# Altium PCB Kasli-DIOT.PCBDOC (part 9 of 21) (continued)
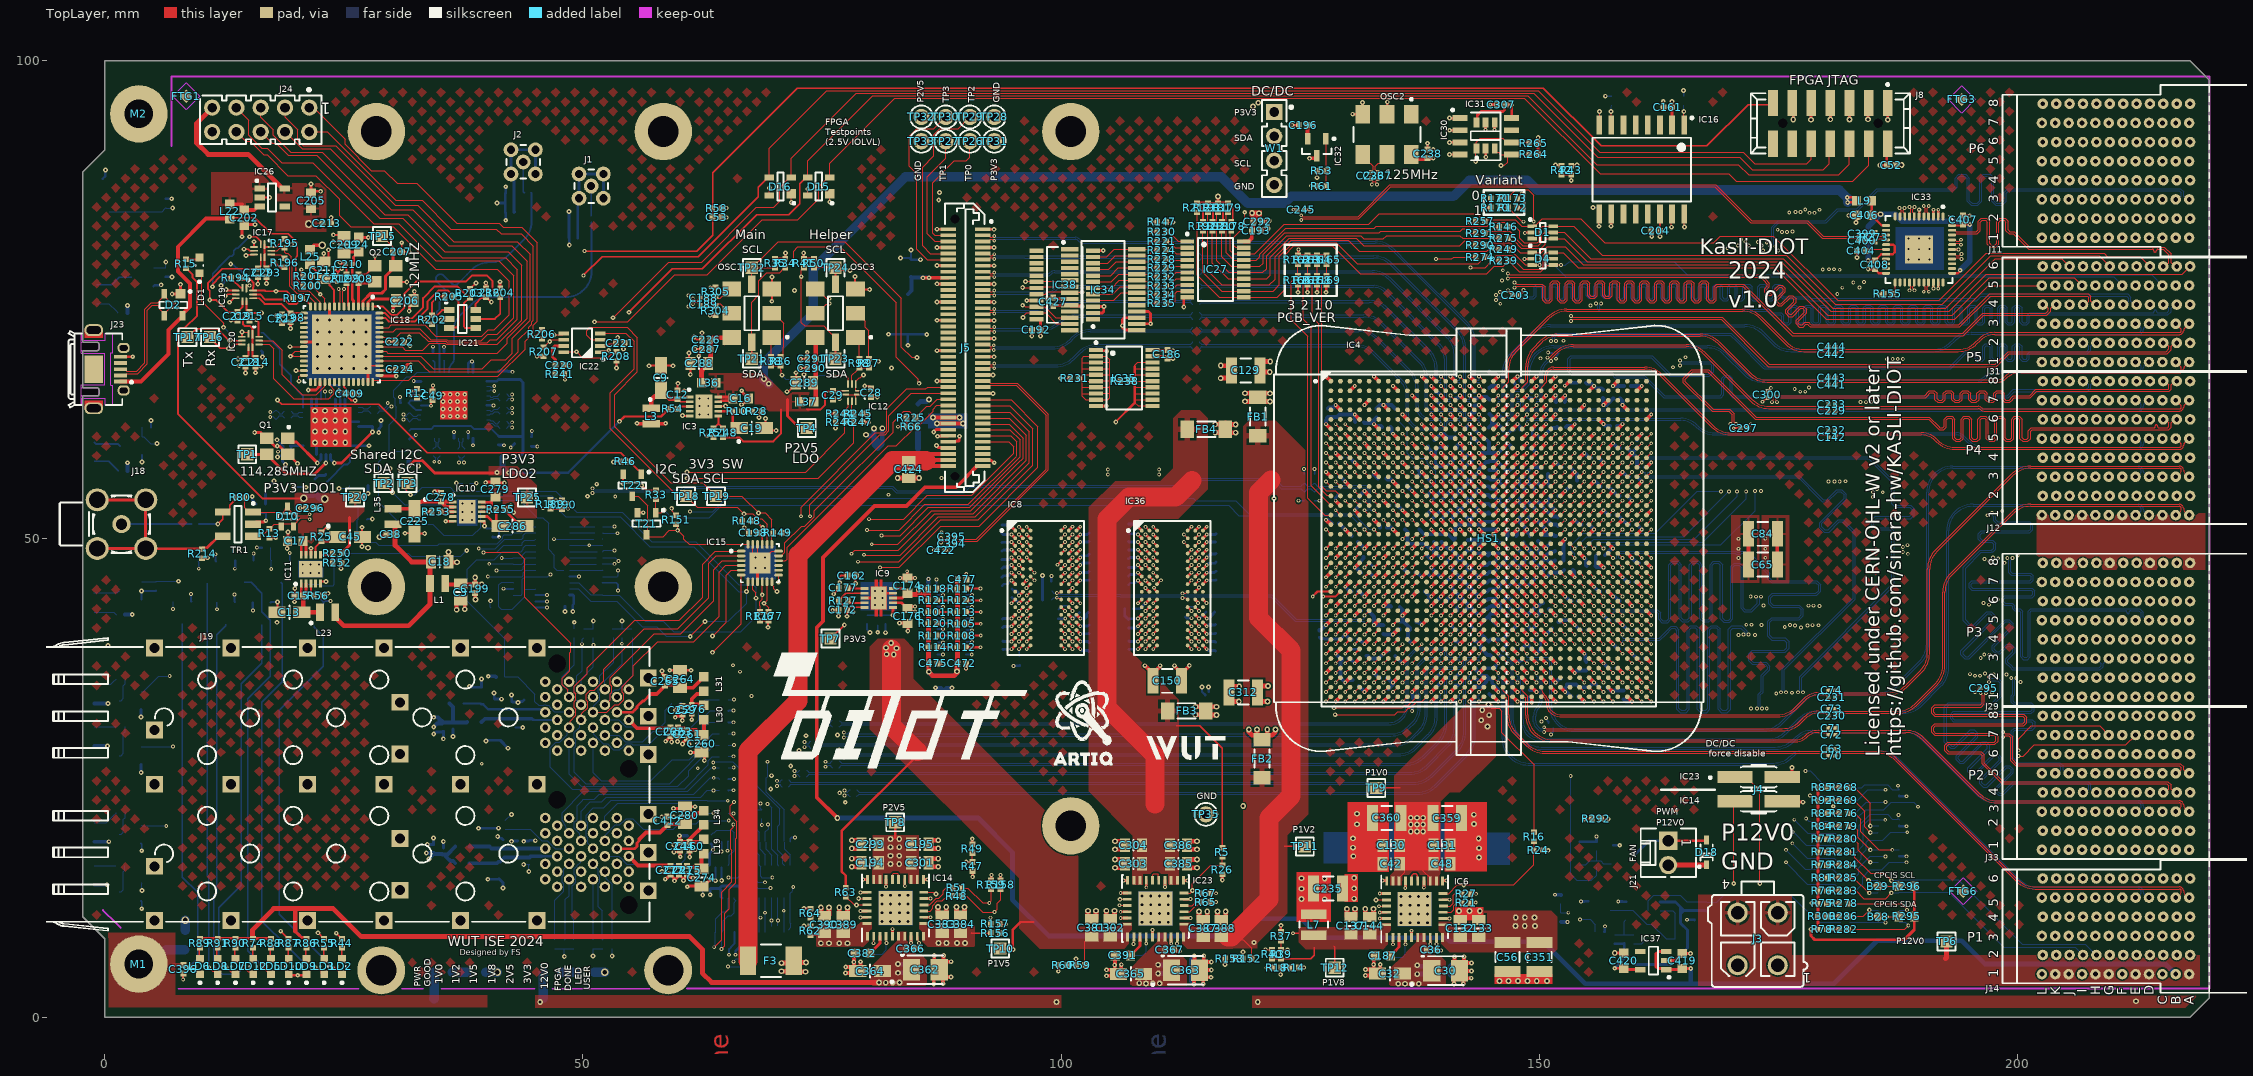
[diagram p0: TopLayer view]
## Nets (pads, with @x,y where several pads share a name; then routed paths per layer and width w, separated by ;. In a path a pad name is that pad's centre, name@x,y a point inside that pad or via, vN(x,y) a via of type N, cw(c..) or ccw(c..) an arc to the next point about the centre after c; other vN are vias at no path point) (continued)
  BottomLayer w0.2: v1(64.48,17.329) IC28.1@64.48,18.33
GPIO_RESET0: IC25.18 IC29.3 R132.2 | length 9.2
  BottomLayer w0.125: IC29.3@42.697,45.425 42.641,45.481 41.485,45.481 41.208,45.204 41.208,42.916 41.479,42.645 42.582,42.645 43.901,43.963 43.901,44.681 43.974,44.755 45.026,44.755 IC25.18@45.047,44.775
GPIO_RESET1: IC24.18 IC28.3 R131.2 | length 6.4
  BottomLayer w0.1: IC24.18@65.175,15.9 65.316,16.041 65.316,16.916 65.825,17.425 IC28.3@65.825,18.375
  BottomLayer w0.125: R131.2@63.402,19.049 63.63,19.276 63.71,19.276 63.972,19.538 65.577,19.538 65.81,19.304 65.81,18.39 IC28.3@65.825,18.375
Helper_DCXO_N: IC4.N4 OSC3.5 | length 91.9
  TopLayer w0.095: OSC3.5@74.3,73.6 74.5,73.6 75.462,74.562 75.717,74.562 v1(75.775,74.62) ; v1(130.7,55) IC4.N4@131.2,54.5
  layer 8 w0.075: v1(75.775,74.62) 75.718,74.62 75.569,74.769 74.845,74.769 74.732,74.882 74.323,75.291 74.323,78.684 82.861,87.222 107.846,87.222 110.825,84.243 110.825,72.05 112.2,70.675 113.068,69.807 113.068,64.93 114.093,63.905 117.26,63.905 125.525,55.64 126.161,55.004 128.103,55.004 128.305,54.802 128.493,54.614 130.936,54.614 130.98,54.658 130.98,54.72 v1(130.7,55)
Helper_DCXO_OE: IC12.9 IC24.8 IC28.20 R245.1 R247.2 | length 91.6
  TopLayer w0.125: v2(60.875,56.349) 74.617,56.349 78.305,60.038 R247.2@78.305,62.225 R245.1@78.305,63.1 ; R245.1@78.125,63.1 IC12.9@78.125,64.4
  Layer 5 w0.125: v2(60.875,56.349) 64.7,52.524 64.7,33.426 65.624,32.502 66.198,32.502 68.634,30.066 68.634,23.633 70.9,21.367 70.9,15.116 71.4,14.616 71.4,13.311 72.156,12.556 72.156,8.481 69.275,5.6 67.637,5.6 67.437,5.8 v1(65.725,5.8)
  BottomLayer w0.125: v1(65.725,5.8) 66.025,6.1 66.8,6.1 67.125,6.425 IC24.8@67.125,8.9 IC28.20@67.125,12.475
Helper_DCXO_P: IC4.P5 OSC3.4 | length 91.6
  TopLayer w0.095: OSC3.4@74.3,76.14 74.5,76.14 75.462,75.178 75.717,75.178 v1(75.775,75.12) ; v1(131.7,54) IC4.P5@132.2,53.5
  layer 8 w0.075: v1(75.775,75.12) 75.718,75.12 75.569,74.971 74.929,74.971 74.525,75.375 74.525,78.6 82.945,87.02 107.763,87.02 110.623,84.159 110.623,71.966 111.986,70.604 112.866,69.724 112.866,64.847 114.009,63.703 117.176,63.703 125.311,55.569 126.078,54.802 128.019,54.802 128.409,54.412 131.288,54.412 v1(131.7,54)
Helper_DCXO_SCL: IC4.T8 OSC3.8 R50.1 TP24.1 | length 84
  TopLayer w0.095: v1(134.7,52) IC4.T8@135.2,51.5
  TopLayer w0.1: TP24.1@76.4,78.35 76.675,78.075 v2(77.925,78.075)
  TopLayer w0.2: R50.1@74.15,78.38 74.175,78.405 76.345,78.405 TP24.1@76.4,78.35 OSC3.8@76.4,76.625 OSC3.8@76.4,76.427
  layer 8 w0.095: v2(77.925,78.075) 82.575,78.075 83.8,76.85 83.8,71.95 81.775,69.925 81.775,67.325 85.175,63.925 99.525,63.925 105.638,57.813 119.537,57.813 123.275,54.075 123.275,54.05 125.425,51.899 125.425,51.445 126.245,50.625 133.325,50.625 v1(134.7,52)
Helper_DCXO_SDA: IC4.U10 OSC3.7 R41.1 TP23.1 | length 98.8
  TopLayer w0.1: 72.825,77.158 72.825,72.625 73.175,72.275 75.181,72.275 75.616,71.84 76.031,71.425 76.075,71.425 76.4,71.1 OSC3.7@76.4,70.722 ; v5@72.84,77.425 72.84,78.14 73.08,78.38 R41.1@73.1,78.38 R41.1@73.12,78.38
  TopLayer w0.127: v1(136.7,50) IC4.U10@137.2,50.5
  TopLayer w0.2: TP23.1@76.4,68.85 OSC3.7@76.4,70.575 OSC3.7@76.4,70.722
  Layer 5 w0.1: v5(72.825,77.425) 77.05,77.425 79.805,74.67 79.805,67.91 82.25,65.465 82.25,57.314 81.936,56.999 v1@81.936,54.604
  Layer 6 w0.1: v1(81.95,54.625) 81.971,54.604 120.517,54.604 123.771,51.35 128.027,51.35 128.727,50.65 136.05,50.65 v1(136.7,50)
HV_REV0: IC4.N2 R165.1 R169.2 | length 25.8
  TopLayer w0.127: R165.1@127.76,78.725 127.76,77.56 127.514,77.314 127.498,77.314 127.254,77.069 127.254,55.496 127.7,55.05 128.65,55.05 IC4.N2@129.2,54.5
HV_REV1: IC4.N1 R164.1 R168.2 | length 25.3
  TopLayer w0.127: R168.2@126.76,77.54 126.534,77.314 126.487,77.314 126.261,77.087 126.261,73.189 126.925,72.525 126.925,55.4 127.76,54.565 128.135,54.565 IC4.N1@128.2,54.5 ; R168.2@126.76,77.74 R164.1@126.76,78.725
HV_REV2: IC4.P1 R163.1 R167.2 | length 26.4
  TopLayer w0.127: R167.2@125.76,77.54 125.534,77.314 125.501,77.314 125.287,77.099 125.287,72.988 126.127,72.148 126.127,55.573 IC4.P1@128.2,53.5 ; R167.2@125.76,77.74 R163.1@125.76,78.725
HV_REV3: IC4.R1 R162.1 R166.2 | length 28.4
  TopLayer w0.127: R166.2@124.76,77.54 124.534,77.314 124.479,77.314 124.075,76.909 124.075,72.9 125.8,71.175 125.8,54.275 127.575,52.5 IC4.R1@128.2,52.5 ; R166.2@124.76,77.74 R162.1@124.76,78.725
I2C_SCL_6: IC15.15
I2C_SDA_6: IC15.14
I2C_SW_RESET: IC4.U5 R33.2 T21.1 | length 78.2
  TopLayer w0.095: v1(131.7,51) IC4.U5@132.2,50.5
  TopLayer w0.1: R33.2@57.65,54.13 57.6,54.08 T21.1@57.6,52.75 58.184,52.75 58.459,53.025 v2(58.475,53.025)
  BottomLayer w0.095: v2(58.475,53.025) 59.265,52.235 63.222,52.235 64.487,53.5 117.505,53.5 118.59,52.415 130.285,52.415 v1(131.7,51)
I2C_SW_RESET2: IC18.27 R46.2 T22.1 | length 46.1
  TopLayer w0.125: v2(20.008,67.608) IC18.27@20.815,67.608
  TopLayer w0.15: v2(18.05,64.525) 18.509,64.066 26,64.066 26.005,64.061 26.357,64.061 26.363,64.066 28.659,64.066 33.7,59.025 53.945,59.025 R46.2@54.87,58.1 ; R46.2@54.87,58.08 55.775,57.175 55.875,57.175 56.1,56.95 T22.1@56.1,56.75
  Layer 3 w0.125: v2(18.05,64.525) 18.05,65.65 18.472,66.072 v2(20.008,67.608)
I2C_SW_RESET_N: IC15.24 R151.1 T21.3 T22.3 | length 17.6
  TopLayer w0.125: T22.3@55.15,54.45 55.775,54.45 56.763,53.463 56.763,50.463 56.65,50.35 56.75,50.25 58.375,50.25 59.025,50.9 v2(59.9,50.9) ; R151.1@59.875,51.605 59.9,51.58 v2(59.9,50.9) ; IC15.24@67.25,49.429 61.096,49.429 60.534,49.991 60.534,50.266 v2(59.9,50.9)
I2C_SW_SCL: IC4.AP10 IC15.19 IC22.3 R149.1 TP19.1 | length 123.8
  TopLayer w0.125: IC22.3@51.8,70.825 50.877,70.825 50.398,71.304 50.398,71.784 50.727,72.114 54.636,72.114 55.7,71.05 55.7,67.475 53.3,65.075 53.3,61.725 59.163,55.863 62.531,55.863 TP19.1@63.918,54.475 66.609,54.475 v2(68.355,52.728) 69.047,52.728 69.75,52.025 IC15.19@69.75,49.429 ; v2(128.525,32.341) 135.653,32.341 135.9,32.589 136.289,32.589 IC4.AP10@137.2,33.5
  layer 8 w0.125: v2(68.355,52.728) 71.328,49.756 71.328,49.672 74.3,46.7 74.3,42.025 86.25,30.075 116.885,30.075 119.151,32.341 v2(128.525,32.341)
I2C_SW_SDA: IC4.AP11 IC15.20 IC22.4 R148.1 TP18.1 | length 124.7
  TopLayer w0.125: IC22.4@51.8,71.475 51.855,71.53 54.495,71.53 55.35,70.675 55.35,67.775 52.84,65.265 52.84,61.535 59.875,54.5 60.768,54.5 TP18.1@60.768,54.475 61.341,53.903 61.366,53.903 61.971,53.297 66.153,53.297 v2(66.825,52.625) ; R148.1@66.67,51.891 66.825,52.046 v2(66.825,52.625) ; IC15.20@69.25,49.429 69.25,51.555 68.705,52.1 68.295,52.1 67.77,52.625 v2(66.825,52.625) ; v2(128.65,31.625) 134.883,31.625 135.2,31.942 135.96,31.942 136.293,32.275 136.454,32.275 137.218,33.039 137.739,33.039 IC4.AP11@138.2,33.5
  layer 8 w0.125: v2(66.825,52.625) 66.825,52.112 69.725,49.212 69.725,48.8 72.75,45.775 72.75,40.55 84.9,28.4 117.109,28.4 120.334,31.625 v2(128.65,31.625)
LED_ERR: IC4.U1 R23.2 T12.1 | length 145.9
  TopLayer w0.095: v1(127.7,51) IC4.U1@128.2,50.5
  Layer 6 w0.095: v2(6.386,78.944) 6.386,65.514 16.775,55.125 18.675,55.125 20.164,53.636 22.904,53.636 ccw(c23,54.175) 23.096,53.636 35.761,53.636 36.7,54.575 45.225,54.575 46.997,52.803 49.149,52.803 49.63,53.284 56.73,53.284 57.485,52.529 59.964,52.529 61.66,54.225 120.203,54.225 123.428,51 v1(127.7,51)
  BottomLayer w0.125: T12.1@5.12,78.345 R23.2@6.35,78.345 6.386,78.381 v2(6.386,78.944)
LED_USER0: IC4.R8 R45.2 T3.1 | length 169.6
  TopLayer w0.095: v1(134.7,53) IC4.R8@135.2,52.5
  Layer 5 w0.127: v5(37.85,48.8) 37.8,48.85 37.8,49.6 38.7,50.5 40.4,50.5 41.5,51.6 43.1,51.6 46.4,54.9 49.088,54.9 50.569,56.382 ; 50.575,56.4 50.575,73.05 58.275,80.75 82.5,80.75 v5(87.2,85.45)
  layer 8 w0.095: v5(87.2,85.45) 106.088,85.45 107.857,83.68 107.857,65.293 113.387,59.762 119.821,59.762 126.133,53.45 128.945,53.45 129.847,52.548 132.997,52.548 133.449,53 v1(134.7,53)
  BottomLayer w0.127: T3.1@20.95,43.25 20.95,44.47 R45.2@21.03,44.55 21.03,45.073 21.2,45.243 22.654,45.243 22.766,45.131 23.891,45.131 24.003,45.243 24.003,47.656 24.831,48.484 31.718,48.484 32.036,48.167 37.217,48.167 v5(37.85,48.8)
LED_USER1: IC4.P8 R227.2 T19.1 | length 181.6
  TopLayer w0.095: v1(134.7,54) IC4.P8@135.2,53.5
  Layer 5 w0.1: v2(7.725,45.575) 7.75,45.55 11.125,45.55 15.075,49.5 19.675,49.5 23.9,53.725 35.9,53.725 37.275,55.1 45.125,55.1 49.825,59.8 49.825,74.3 57.3,81.775 81.55,81.775 86,86.225 v5(87.275,86.225)
  layer 8 w0.095: v5(87.275,86.225) 105.888,86.225 108.264,83.849 108.264,65.461 113.7,60.025 120.178,60.025 125.837,54.367 127.313,54.367 128.029,53.65 129.425,53.65 129.725,53.35 134.05,53.35 v1(134.7,54)
  BottomLayer w0.1: T19.1@3.851,45.55 5.375,45.55 5.4,45.575 v2(7.725,45.575)
LED_USER2: IC4.U6 R19.2 T2.1 | length 136.9
  TopLayer w0.095: v1(132.7,51) IC4.U6@133.2,50.5
  Layer 6 w0.095: v2(5.45,59.975) 6.975,59.975 14.45,52.5 17.698,52.5 18.523,51.675 28.4,51.675 29.122,52.397 39.402,52.397 39.5,52.3 49.359,52.3 49.486,52.173 60.471,52.173 v1(61.183,52.884)
  BottomLayer w0.095: v1(61.183,52.884) 61.188,52.884 61.215,52.856 63.567,52.856 64.988,54.278 113.794,54.278 114.071,54 118.228,54 119.618,52.61 130.581,52.61 131.491,51.7 132.191,51 v1(132.7,51)
  BottomLayer w0.1: T2.1@3.903,60.662 4.103,60.662 4.79,59.975 v2(5.45,59.975)
  BottomLayer w0.125: T2.1@3.903,60.662 3.903,61.673 R19.2@3.905,61.675
M_SCL: IC4.AM7 R262.1 | length 61.7
  TopLayer w0.127: v1(133.7,35) IC4.AM7@134.2,35.5
  Layer 3 w0.127: v1(133.7,35) 133.275,34.575 133.275,30.5 133.275,28 136.875,24.4 168.9,24.4 175.774,17.525 v1(175.774,17.5)
  BottomLayer w0.127: v1(175.774,17.5) 177.799,15.475 180.675,15.475 181.53,14.62 R262.1@181.53,14.6
M_SDA: IC4.AL8 R263.1 | length 61.3
  TopLayer w0.127: v1(134.7,36) IC4.AL8@135.2,36.5
  Layer 3 w0.127: v1(134.7,36) 134.175,35.475 134.175,30.5 134.175,28 137.375,24.8 169.825,24.8 v1(176.448,18.177)
  BottomLayer w0.127: v1(176.448,18.177) 176.448,18.173 177.995,16.625 180.846,16.625 181.304,16.168 181.53,15.941 R263.1@181.53,15.921
Main_DCXO_C_N: C189.1 OSC1.5 R304.2 | length 3.5
  TopLayer w0.095: C189.1@62.953,74.479 62.978,74.479 63.131,74.631 63.131,74.687 63.187,74.743 63.45,74.743 63.459,74.752 63.565,74.752 63.621,74.696 63.621,74.578 R304.2@63.854,74.345 64.089,74.58 64.37,74.58 65.35,73.6 OSC1.5@65.525,73.6 ; OSC1.5@65.55,73.575 OSC1.5@65.525,73.6 ; OSC1.5@65.55,73.6 OSC1.5@65.525,73.6
Main_DCXO_C_P: C188.1 OSC1.4 R305.2 | length 3.5
  TopLayer w0.095: C188.1@62.953,75.229 62.978,75.229 63.131,75.076 63.131,75.02 63.187,74.965 63.358,74.965 63.367,74.974 63.569,74.974 63.625,75.029 63.625,75.142 R305.2@63.86,75.377 64.089,75.148 64.358,75.148 65.35,76.14 OSC1.4@65.55,76.14
Main_DCXO_N: C189.2 IC1.20 R12.2 | length 42.4
  TopLayer w0.095: v1(32.025,65.478) 32.323,65.478 32.331,65.486 32.379,65.486 32.621,65.728 R12.2@32.641,65.728 R12.2@32.858,65.512 ; v1(61.486,74.563) 61.555,74.563 61.744,74.752 62.011,74.752 62.076,74.687 62.076,74.631 62.228,74.479 C189.2@62.253,74.479
  layer 8 w0.075: v1(32.025,65.478) 31.993,65.478 31.844,65.329 31.496,65.329 31.325,65.5 31.325,66.087 32.459,67.221 41.104,67.221 41.675,66.65 42.802,65.523 52.984,65.523 56.402,68.941 56.402,73.426 57.738,74.762 61.287,74.762 v1(61.486,74.563)
  BottomLayer w0.095: v1(32.025,65.478) cw(c32.025,65.371) 32.1,65.447 32.139,65.408 ccw(c32.306,65.576) 32.306,65.339 32.519,65.339 ccw(c32.519,65.576) 32.686,65.408 cw(c32.854,65.241) 32.854,65.478 IC1.20@33.05,65.478
Main_DCXO_OE: IC12.8 IC24.28 IC28.11 R244.1 R246.2 | length 67.8
  TopLayer w0.125: v2(60.875,56.999) 73.269,56.999 77.371,61.101 R244.1@77.37,63.1 R244.1@77.37,63.1 77.597,63.327 77.597,63.685 77.725,63.812 IC12.8@77.725,64.4
  Layer 5 w0.125: v2(60.875,56.999) 61.879,56.999 65.222,53.656 65.222,34.507 69.3,30.429 v1(69.3,26.709)
  BottomLayer w0.125: v1(69.3,26.709) 69.3,25.163 69.187,25.051 69.187,23.523 71.025,21.686 IC28.11@71.025,18.375 ; IC28.11@71.114,18.286 71.114,17.536 71.675,16.975 IC24.28@71.675,15.9
Main_DCXO_P: C188.2 IC1.19 R12.1 | length 42.7
  TopLayer w0.095: v1(32.025,64.978) 32.039,64.992 32.438,64.992 R12.1@32.641,64.788 ; v1(61.486,75.163) 61.555,75.163 61.744,74.974 62.02,74.974 62.076,75.03 62.076,75.076 62.228,75.229 C188.2@62.253,75.229
  layer 8 w0.075: v1(32.025,64.978) 31.993,64.978 31.844,65.127 31.412,65.127 31.123,65.416 31.123,66.17 32.376,67.423 41.188,67.423 41.961,66.65 42.886,65.725 52.9,65.725 56.2,69.025 56.2,73.51 57.654,74.964 61.287,74.964 v1(61.486,75.163)
  BottomLayer w0.095: v1(32.025,64.978) ccw(c32.025,65.085) 32.1,65.009 32.139,65.047 cw(c32.306,64.88) 32.306,65.117 32.519,65.117 cw(c32.519,64.88) 32.686,65.047 ccw(c32.854,65.215) 32.854,64.978 IC1.19@33.05,64.978
Main_DCXO_SCL: IC4.R2 OSC1.8 R35.1 TP22.1 | length 81.9
  TopLayer w0.095: v1(128.7,53) IC4.R2@129.2,52.5
  TopLayer w0.1: OSC1.8@67.65,76.427 OSC1.8@67.65,76.625 TP22.1@67.65,78.35 TP22.1@67.68,78.38 ; R35.1@70.1,78.38 TP22.1@67.68,78.38 ; v2(84.925,68.975) 84.365,68.975 83.275,70.065 83.275,75.186 77.366,81.095 70.395,81.095 TP22.1@67.68,78.38
  layer 8 w0.095: v2(84.925,68.975) 88.475,68.975 91.175,66.275 99.975,66.275 107.538,58.712 119.558,58.712 125.27,53 v1(128.7,53)
Main_DCXO_SDA: IC4.T7 OSC1.7 R34.1 TP21.1 | length 96.4
  TopLayer w0.095: v1(133.7,52) IC4.T7@134.2,51.5
  TopLayer w0.1: OSC1.7@67.65,70.722 67.65,74.775 68.403,75.528 68.403,77.017 69.236,77.85 70.55,77.85 71.006,78.306 71.076,78.306 R34.1@71.15,78.38 71.17,78.38 72.025,79.235 72.025,80.1 72.475,80.55 76.925,80.55 82.775,74.7 82.775,68.975 85.075,66.675 85.075,66.35 v5(85.15,66.275)
  TopLayer w0.2: TP21.1@67.65,68.85 OSC1.7@67.65,70.575 OSC1.7@67.65,70.722
  Layer 5 w0.095: v5(85.15,66.275) 85.15,58.696 v1(87.471,56.375)
  Layer 6 w0.095: v1(87.471,56.375) 88.048,55.798 118.06,55.798 118.147,55.885 118.949,55.885 119.035,55.798 121.352,55.798 124.179,52.971 127.811,52.971 128.296,52.486 128.447,52.486 128.475,52.457 132.925,52.457 132.953,52.486 133.214,52.486 v1(133.7,52)
MGT1_RxC_N: C450.1 J14.E5 | length 38.8
  BottomLayer w0.095: C450.1@180.925,27.325 ccw(c180.925,27.385) 180.968,27.343 181.087,27.462 ccw(c181.05,27.499) 181.103,27.499 cw(c181.155,27.499) 181.118,27.536 cw(c181.215,27.439) 181.215,27.576 185.657,27.576 cw(c185.657,25.036) 187.43,26.856 cw(c185.657,25.036) 187.454,26.833 200.078,14.209 ccw(c202.029,16.16) 202.026,13.4 ccw(c202.029,16.16) 202.029,13.4 212.628,13.4 cw(c212.628,13.1) 212.928,13.1 cw(c212.489,13.1) 212.799,12.79 212.63,12.621 cw(c212.339,12.912) J14.E5@212.339,12.5
MGT1_RxC_P: C449.1 J14.D5 | length 39.2
  BottomLayer w0.095: C449.1@180.925,28.05 cw(c180.925,27.99) 180.968,28.032 181.087,27.913 cw(c181.05,27.876) 181.103,27.876 ccw(c181.155,27.876) 181.118,27.839 ccw(c181.215,27.936) 181.215,27.798 185.66,27.798 cw(c185.66,25.043) 187.585,27.015 cw(c185.66,25.043) 187.609,26.991 200.234,14.366 ccw(c202.03,16.162) 202.03,13.622 212.628,13.622 cw(c212.628,13.1) 213.15,13.1 ccw(c213.588,13.1) 213.278,12.79 213.447,12.621 ccw(c213.739,12.912) J14.D5@213.739,12.5
MGT1_Tx_N: C70.2 J14.B5 | length 43.1
  TopLayer w0.095: C70.2@180.925,27.325 ccw(c180.925,27.385) 180.968,27.343 181.087,27.462 ccw(c181.05,27.499) 181.103,27.499 cw(c181.155,27.499) 181.118,27.536 cw(c181.215,27.439) 181.215,27.576 185.457,27.576 cw(c185.457,25.036) 187.254,26.833 199.878,14.209 ccw(c201.829,16.16) 201.826,13.4 ccw(c201.829,16.16) 201.829,13.4 206.5,13.4 216.928,13.4 cw(c216.928,13.2) 217.128,13.2 cw(c216.539,13.2) 216.59,12.613 216.567,12.59 216.539,12.562 J14.B5@216.539,12.5
MGT1_Tx_P: C63.2 J14.A5 | length 43.4
  TopLayer w0.095: C63.2@180.925,28.05 cw(c180.925,27.99) 180.968,28.032 C63.2@181.087,27.913 ; C63.2@181.087,27.913 cw(c181.05,27.876) 181.103,27.876 ccw(c181.155,27.876) 181.118,27.839 ccw(c181.215,27.936) 181.215,27.798 185.46,27.798 cw(c185.46,25.043) 187.409,26.991 200.034,14.366 ccw(c201.83,16.162) 201.83,13.622 206.5,13.622 216.928,13.622 cw(c216.928,13.2) 217.35,13.2 ccw(c217.939,13.2) 217.887,12.613 217.911,12.59 217.939,12.562 J14.A5@217.939,12.5
MGT2_RxC_N: C411.1 J33.E3 | length 36
  BottomLayer w0.095: C411.1@180.925,29.525 ccw(c180.925,29.585) 180.968,29.543 181.092,29.667 ccw(c181.065,29.693) 181.103,29.693 cw(c181.14,29.693) 181.113,29.719 cw(c181.221,29.611) 181.221,29.764 188.17,29.764 cw(c188.17,27.224) 189.966,29.02 193.543,25.443 194.681,24.306 195.778,23.209 ccw(c197.729,25.16) 195.78,23.206 ccw(c197.729,25.16) 197.726,22.4 ccw(c197.729,25.16) 197.729,22.4 212.628,22.4 cw(c212.628,22.1) 212.928,22.1 cw(c212.489,22.1) 212.799,21.79 212.63,21.621 cw(c212.339,21.912) J33.E3@212.339,21.5
MGT2_RxC_P: C410.1 J33.D3 | length 36.4
  BottomLayer w0.095: C410.1@180.925,30.225 cw(c180.925,30.165) 180.968,30.207 181.092,30.083 cw(c181.065,30.057) 181.103,30.057 ccw(c181.14,30.057) 181.113,30.031 ccw(c181.221,30.139) 181.221,29.986 188.172,29.986 cw(c188.172,27.23) 190.121,29.179 193.543,25.757 195.934,23.366 ccw(c197.73,25.162) 197.73,22.622 212.628,22.622 cw(c212.628,22.1) 213.15,22.1 ccw(c213.588,22.1) 213.278,21.79 213.447,21.621 ccw(c213.739,21.912) J33.D3@213.739,21.5
MGT2_Tx_N: C72.2 J33.B3 | length 40.3
  TopLayer w0.095: C72.2@180.925,29.525 ccw(c180.925,29.585) 180.968,29.543 181.092,29.667 ccw(c181.065,29.693) 181.103,29.693 cw(c181.14,29.693) 181.113,29.719 cw(c181.221,29.611) 181.221,29.764 188.284,29.764 cw(c188.284,27.224) 190.08,29.02 195.892,23.208 ; 195.892,23.208 ccw(c197.843,25.159) 197.842,22.4 ; 197.843,22.4 203.1,22.4 216.928,22.4 cw(c216.928,22.2) 217.128,22.2 cw(c216.539,22.2) 216.59,21.613 216.567,21.59 216.539,21.562 J33.B3@216.539,21.5
MGT2_Tx_P: C71.2 J33.A3 | length 40.6
  TopLayer w0.095: C71.2@180.925,30.225 cw(c180.925,30.165) 180.968,30.207 181.092,30.083 cw(c181.065,30.057) 181.103,30.057 ccw(c181.14,30.057) 181.113,30.031 ccw(c181.221,30.139) 181.221,29.986 188.286,29.986 cw(c188.286,27.23) 190.235,29.179 196.048,23.366 ccw(c197.844,25.162) 197.844,22.622 202.53,22.622 203.1,22.622 216.928,22.622 cw(c216.928,22.2) 217.35,22.2 ccw(c217.939,22.2) 217.887,21.613 217.911,21.59 217.939,21.562 J33.A3@217.939,21.5
MGT3_RxC_N: C437.1 J12.E1 | length 51.4
  BottomLayer w0.095: C437.1@180.925,31.525 ccw(c180.925,31.585) 180.968,31.543 181.087,31.662 ccw(c181.05,31.699) 181.103,31.699 cw(c181.155,31.699) 181.118,31.736 cw(c181.215,31.639) 181.215,31.776 188.047,31.776 ccw(c188.047,34.536) 189.999,32.585 191.992,34.578 ccw(c190.041,36.529) 192.8,36.529 192.8,50.86 cw(c195.34,50.86) 195.34,53.4 212.628,53.4 cw(c212.628,53.1) 212.928,53.1 cw(c212.489,53.1) 212.799,52.79 212.63,52.621 cw(c212.339,52.912) J12.E1@212.339,52.5
MGT3_RxC_P: C258.1 J12.D1 | length 51.7
  BottomLayer w0.095: C258.1@180.925,32.25 cw(c180.925,32.19) 180.968,32.232 181.087,32.113 cw(c181.05,32.076) 181.103,32.076 ccw(c181.155,32.076) 181.118,32.039 ccw(c181.215,32.136) 181.215,31.998 188.046,31.998 ccw(c188.046,34.538) 189.842,32.742 191.834,34.734 ccw(c190.038,36.53) 192.578,36.53 192.578,50.86 cw(c195.34,50.86) 195.34,53.622 212.628,53.622 cw(c212.628,53.1) 213.15,53.1 ccw(c213.588,53.1) 213.278,52.79 213.447,52.621 ccw(c213.739,52.912) J12.D1@213.739,52.5
MGT3_Tx_N: C230.2 J12.B1 | length 51.8
  TopLayer w0.095: C230.2@180.925,31.525 ccw(c180.925,31.585) 180.968,31.543 181.087,31.662 ccw(c181.05,31.699) 181.103,31.699 cw(c181.155,31.699) 181.118,31.736 cw(c181.215,31.639) 181.215,31.777 187.447,31.777 ccw(c187.447,34.536) 189.399,32.585 191.592,34.778 ccw(c189.641,36.729) 192.4,36.729 192.4,44.448 cw(c194.94,44.448) 193.144,46.244 199.556,52.656 cw(c201.352,50.86) 201.352,53.4 216.928,53.4 cw(c216.928,53.2) 217.128,53.2 cw(c216.539,53.2) 216.59,52.613 216.567,52.59 216.539,52.562 J12.B1@216.539,52.5
MGT3_Tx_P: C73.2 J12.A1 | length 52.1
  TopLayer w0.095: C73.2@180.925,32.25 cw(c180.925,32.19) 180.968,32.232 181.087,32.113 cw(c181.05,32.076) 181.103,32.076 ccw(c181.155,32.076) 181.118,32.039 ccw(c181.215,32.136) 181.215,31.999 187.446,31.999 ccw(c187.446,34.539) 189.242,32.742 191.434,34.934 ccw(c189.638,36.73) 192.178,36.73 192.178,44.449 cw(c194.937,44.449) 192.986,46.4 199.4,52.814 cw(c201.351,50.863) 201.351,53.622 216.928,53.622 cw(c216.928,53.2) 217.35,53.2 ccw(c217.939,53.2) 217.887,52.613 217.911,52.59 217.939,52.562 J12.A1@217.939,52.5
MGT4_RxC_N: C438.1 J12.E3 | length 53.1
  BottomLayer w0.095: C438.1@180.925,33.425 ccw(c180.925,33.485) 180.968,33.443 181.083,33.558 ccw(c181.035,33.605) 181.103,33.605 cw(c181.17,33.605) 181.122,33.653 cw(c181.209,33.566) 181.209,33.689 185.378,33.689 ccw(c185.378,36.405) 187.299,34.485 189.892,37.078 ccw(c187.941,39.029) 190.7,39.029 190.7,54.86 cw(c193.24,54.86) 193.24,57.4 212.628,57.4 cw(c212.628,57.1) 212.928,57.1 cw(c212.489,57.1) 212.799,56.79 212.63,56.621 cw(c212.339,56.912) J12.E3@212.339,56.5
MGT4_RxC_P: C434.1 J12.D3 | length 53.5
  BottomLayer w0.095: C434.1@180.925,34.175 cw(c180.925,34.115) 180.968,34.157 181.083,34.042 cw(c181.035,33.995) 181.103,33.995 ccw(c181.17,33.995) 181.122,33.947 ccw(c181.209,34.034) 181.209,33.911 185.374,33.911 ccw(c185.374,36.413) 187.144,34.644 189.734,37.234 ccw(c187.938,39.03) 190.478,39.03 190.478,54.86 cw(c193.24,54.86) 193.24,57.622 212.628,57.622 cw(c212.628,57.1) 213.15,57.1 ccw(c213.588,57.1) 213.278,56.79 213.447,56.621 ccw(c213.739,56.912) J12.D3@213.739,56.5
MGT4_Tx_N: C231.2 J12.B3 | length 53.3
  TopLayer w0.095: C231.2@180.925,33.425 ccw(c180.925,33.485) 180.968,33.443 181.083,33.558 ccw(c181.035,33.605) 181.103,33.605 cw(c181.17,33.605) 181.122,33.653 cw(c181.209,33.566) 181.209,33.689 186.46,33.689 ccw(c186.46,36.448) 188.411,34.497 189.992,36.078 ccw(c188.041,38.029) 190.8,38.029 190.8,46.844 cw(c193.34,46.844) 191.544,48.64 199.56,56.656 cw(c201.356,54.86) 201.356,57.4 216.928,57.4 cw(c216.928,57.2) 217.128,57.2 cw(c216.539,57.2) 216.59,56.613 216.567,56.59 216.539,56.562 J12.B3@216.539,56.5
MGT4_Tx_P: C74.2 J12.A3 | length 53.6
  TopLayer w0.095: C74.2@180.925,34.175 cw(c180.925,34.115) 180.968,34.157 181.083,34.042 cw(c181.035,33.995) 181.103,33.995 ccw(c181.17,33.995) 181.122,33.947 ccw(c181.209,34.034) 181.209,33.911 186.459,33.911 ccw(c186.459,36.451) 188.255,34.655 189.834,36.234 ccw(c188.038,38.03) 190.578,38.03 190.578,46.845 cw(c193.337,46.845) 191.386,48.796 199.404,56.814 cw(c201.355,54.863) 201.355,57.622 216.928,57.622 cw(c216.928,57.2) 217.35,57.2 ccw(c217.939,57.2) 217.887,56.613 217.911,56.59 217.939,56.562 J12.A3@217.939,56.5
MGT5_RxC_N: C439.1 J12.E5 | length 33.7
  BottomLayer w0.095: C439.1@180.925,61.35 180.95,61.35 181.103,61.198 ccw(c181.198,61.197) 181.13,61.13 ccw(c181.198,61.197) 181.198,61.102 193.601,61.102 cw(c193.601,59.93) 194.43,60.759 194.845,60.344 ccw(c196.641,62.14) 196.641,59.6 212.628,59.6 ccw(c212.628,59.9) 212.928,59.9 ccw(c212.489,59.9) 212.799,60.21 212.63,60.379 ccw(c212.339,60.088) J12.E5@212.339,60.5
MGT5_RxC_P: C435.1 J12.D5 | length 34
  BottomLayer w0.095: C435.1@180.925,60.633 ccw(c180.925,60.693) 180.968,60.65 C435.1@181.089,60.771 ; C435.1@181.089,60.771 ccw(c181.055,60.805) 181.103,60.805 cw(c181.15,60.805) 181.117,60.839 cw(c181.217,60.738) 181.217,60.88 193.598,60.88 cw(c193.598,59.923) 194.275,60.6 194.688,60.187 ccw(c196.64,62.138) 196.64,59.378 198.858,59.378 212.628,59.378 ccw(c212.628,59.9) 213.15,59.9 cw(c213.588,59.9) 213.278,60.21 213.447,60.379 cw(c213.739,60.088) J12.D5@213.739,60.5
MGT5_Tx_N: C232.2 J12.B5 | length 37.8
  TopLayer w0.095: C232.2@180.925,61.35 cw(c180.925,61.29) 180.968,61.332 181.089,61.211 cw(c181.055,61.178) 181.103,61.178 ccw(c181.15,61.178) 181.117,61.144 ccw(c181.217,61.245) 181.217,61.102 189.94,61.102 cw(c189.94,58.817) 191.556,60.433 191.645,60.344 ccw(c193.441,62.14) 193.441,59.6 216.936,59.6 ccw(c216.936,59.792) 217.128,59.792 ccw(c216.84,59.792) 217.044,59.995 J12.B5@216.539,60.5
MGT5_Tx_P: C142.2 J12.A5 | length 38.1
  TopLayer w0.095: C142.2@180.925,60.633 ccw(c180.925,60.693) 180.968,60.65 C142.2@181.089,60.771 ; C142.2@181.089,60.771 ccw(c181.055,60.805) 181.103,60.805 cw(c181.15,60.805) 181.117,60.839 cw(c181.217,60.738) 181.217,60.88 189.939,60.88 cw(c189.939,58.814) 191.4,60.275 191.488,60.187 ccw(c193.44,62.138) 193.44,59.378 216.936,59.378 ccw(c216.936,59.792) 217.35,59.792 cw(c217.637,59.792) 217.434,59.995 J12.A5@217.939,60.5
MGT6_RxC_N: C440.1 J12.E7 | length 33.2
  BottomLayer w0.095: C440.1@180.925,63.825 180.95,63.825 181.103,63.672 181.103,63.656 181.158,63.6 212.628,63.6 ccw(c212.628,63.9) 212.928,63.9 ccw(c212.489,63.9) 212.799,64.21 212.63,64.379 ccw(c212.339,64.088) J12.E7@212.339,64.5
MGT6_RxC_P: C436.1 J12.D7 | length 33.6
  BottomLayer w0.095: C436.1@180.925,63.115 180.95,63.115 181.125,63.29 181.125,63.322 181.181,63.378 212.628,63.378 ccw(c212.628,63.9) 213.15,63.9 cw(c213.588,63.9) 213.278,64.21 213.447,64.379 cw(c213.739,64.088) J12.D7@213.739,64.5
MGT6_Tx_N: C233.2 J12.B7 | length 37.4
  TopLayer w0.095: C233.2@180.925,64.1 180.95,64.1 181.103,63.948 181.103,63.912 181.158,63.856 195.878,63.856 cw(c195.878,63.355) 196.232,63.709 ; 196.233,63.709 ccw(c196.495,63.972) 196.495,63.6 216.936,63.6 ccw(c216.936,63.792) 217.128,63.792 ccw(c216.84,63.792) 217.044,63.995 J12.B7@216.539,64.5
MGT6_Tx_P: C229.2 J12.A7 | length 37.8
  TopLayer w0.095: C229.2@180.925,63.39 180.95,63.39 181.103,63.543 181.103,63.579 181.158,63.634 195.877,63.634 cw(c195.877,63.353) 196.076,63.552 196.077,63.551 ccw(c196.493,63.967) 196.493,63.378 216.936,63.378 ccw(c216.936,63.792) 217.35,63.792 cw(c217.637,63.792) 217.434,63.995 J12.A7@217.939,64.5
MGT7_RxC_N: C447.1 J31.E1 | length 33.5
  BottomLayer w0.095: C447.1@180.925,66.875 cw(c180.925,66.815) 180.968,66.857 181.087,66.738 cw(c181.05,66.701) 181.103,66.701 ccw(c181.155,66.701) 181.118,66.664 ccw(c181.215,66.761) 181.215,66.624 195.712,66.624 ccw(c195.712,67.738) 196.5,66.95 ; 196.5,66.95 cw(c198.069,65.382) 198.069,67.6 212.628,67.6 ccw(c212.628,67.9) 212.928,67.9 ccw(c212.489,67.9) 212.799,68.21 212.63,68.379 ccw(c212.339,68.088) J31.E1@212.339,68.5
MGT7_RxC_P: C445.1 J31.D1 | length 33.8
  BottomLayer w0.095: C445.1@180.925,66.15 ccw(c180.925,66.21) 180.968,66.168 181.087,66.287 ccw(c181.05,66.324) 181.103,66.324 cw(c181.155,66.324) 181.118,66.361 cw(c181.215,66.264) 181.215,66.402 195.713,66.402 ccw(c195.713,67.736) 196.656,66.792 ; 196.657,66.793 cw(c198.069,65.381) 198.069,67.378 212.628,67.378 ccw(c212.628,67.9) 213.15,67.9 cw(c213.588,67.9) 213.278,68.21 213.447,68.379 cw(c213.739,68.088) J31.D1@213.739,68.5
MGT7_Tx_N: C443.2 J31.B1 | length 37.6
  TopLayer w0.095: C443.2@180.925,66.875 180.95,66.875 181.103,66.723 181.103,66.679 181.158,66.624 197.876,66.624 ccw(c197.876,67.705) 198.64,66.94 cw(c200.233,65.347) 200.233,67.6 216.936,67.6 ccw(c216.936,67.792) 217.128,67.792 ccw(c216.84,67.792) 217.044,67.995 J31.B1@216.539,68.5
MGT7_Tx_P: C441.2 J31.A1 | length 38
  TopLayer w0.095: C441.2@180.925,66.15 180.95,66.15 181.103,66.303 181.103,66.346 181.158,66.402 197.968,66.402 ccw(c197.968,67.483) 198.732,66.718 cw(c200.325,65.125) 200.325,67.378 216.936,67.378 ccw(c216.936,67.792) 217.35,67.792 cw(c217.637,67.792) 217.434,67.995 J31.A1@217.939,68.5
MGT8_RxC_N: C448.1 J31.E3 | length 33.7
  BottomLayer w0.095: C448.1@180.925,70.075 cw(c180.925,70.015) 180.968,70.057 181.084,69.941 cw(c181.04,69.896) 181.103,69.896 ccw(c181.165,69.896) 181.121,69.852 ccw(c181.211,69.942) 181.211,69.815 191.174,69.815 ccw(c191.174,72.355) 192.97,70.559 193.203,70.792 cw(c195.154,68.841) 195.154,71.6 212.628,71.6 ccw(c212.628,71.9) 212.928,71.9 ccw(c212.489,71.9) 212.799,72.21 212.63,72.379 ccw(c212.339,72.088) J31.E3@212.339,72.5